# Altium PCB BCM_ECU_revA.PcbDoc (part 1 of 2) (continued)
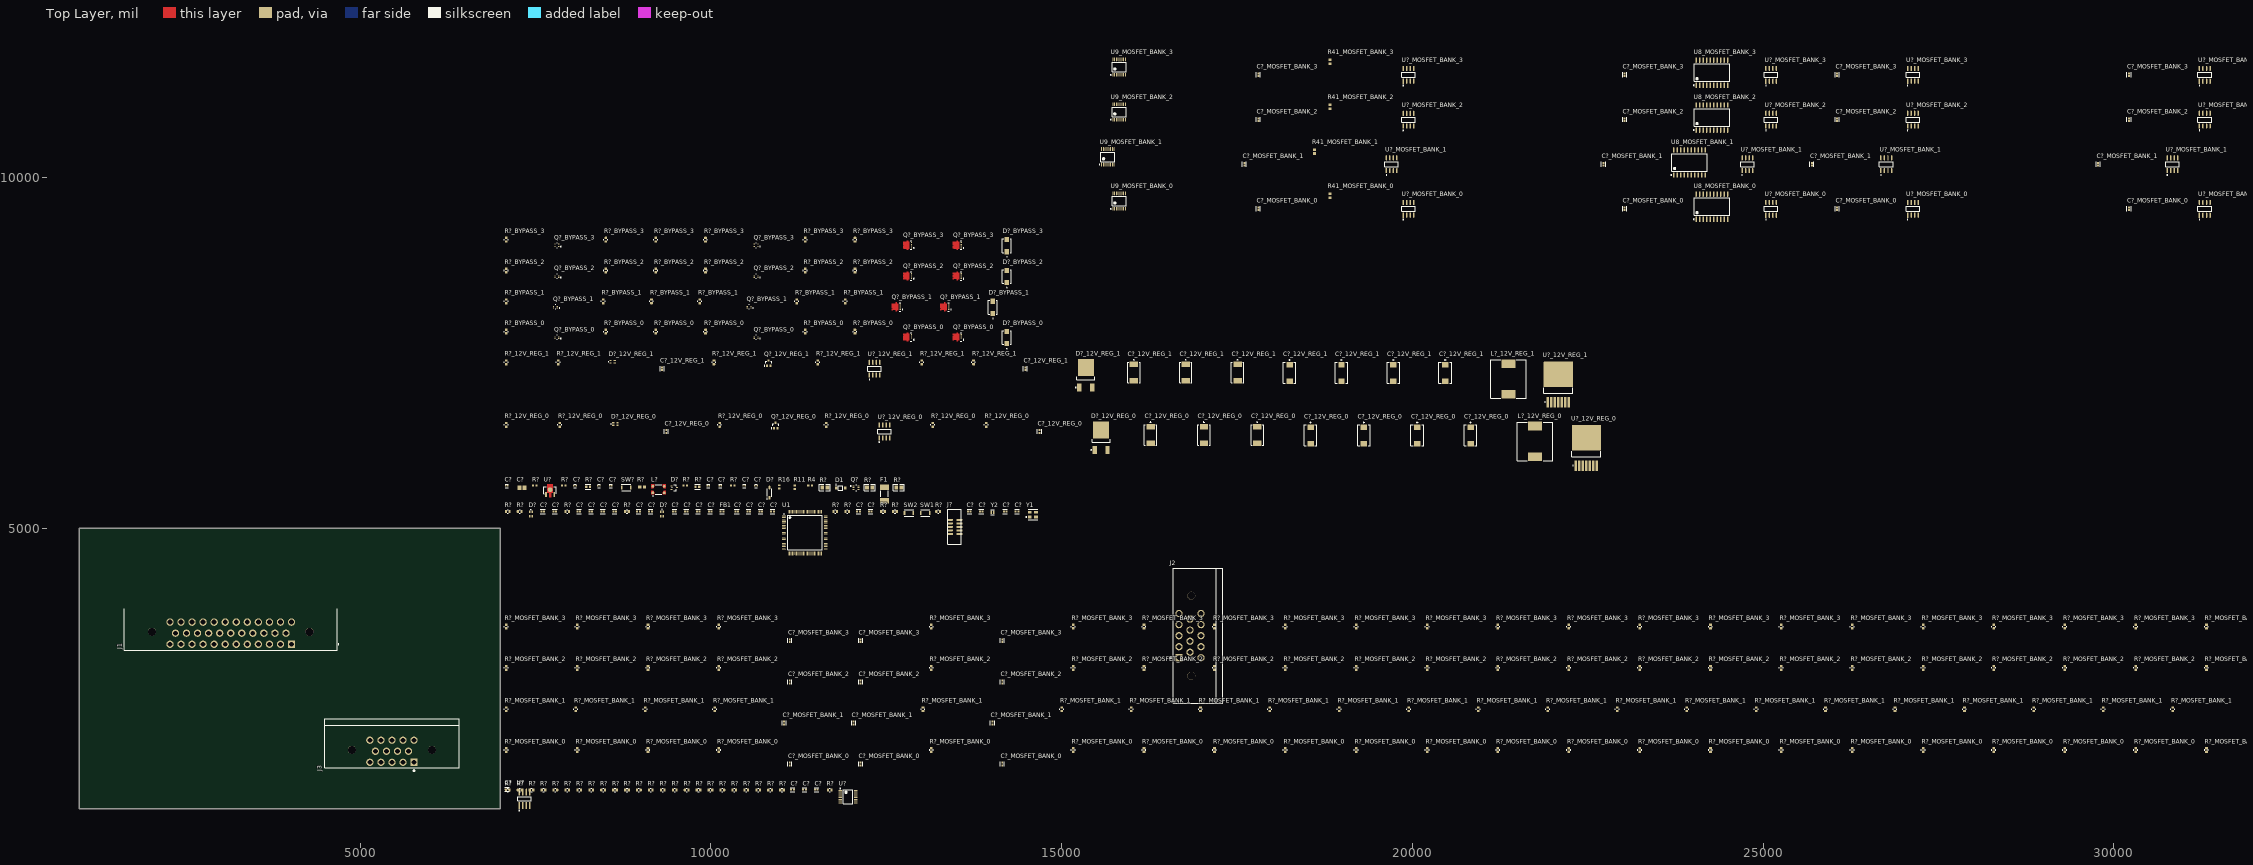
[diagram p0: Top Layer view]
## Components (designator, comment, footprint, x,y, rotation, side; value= is the part's Value field where it differs from the comment) (continued)
R?_MOSFET_BANK_0 "100k" R0603B 23240,1840 r90 top (schematic designator R?)
R?_MOSFET_BANK_0 "1k" R0603B 26270,1840 r90 top (schematic designator R?)
R?_MOSFET_BANK_0 "56" R0603B 16175,1840 r90 top (schematic designator R?)
R?_MOSFET_BANK_0 "1k" R0603B 17180,1840 r90 top (schematic designator R?)
R?_MOSFET_BANK_0 "100k" R0603B 20210,1840 r90 top (schematic designator R?)
R?_MOSFET_BANK_0 "1k" R0603B 15165,1840 r90 top (schematic designator R?)
R?_MOSFET_BANK_0 "1k" R0603B 31320,1840 r90 top (schematic designator R?)
R?_MOSFET_BANK_0 "1k" R0603B 19200,1840 r90 top (schematic designator R?)
R?_MOSFET_BANK_0 "1k" R0603B 24250,1840 r90 top (schematic designator R?)
R?_MOSFET_BANK_0 "100k" R0603B 21220,1840 r90 top (schematic designator R?)
R?_MOSFET_BANK_0 "1k" R0603B 22230,1840 r90 top (schematic designator R?)
R?_MOSFET_BANK_0 "1k" R0603B 8095,1840 r90 top (schematic designator R?)
R?_MOSFET_BANK_0 "1k" R0603B 13145,1840 r90 top (schematic designator R?)
R?_MOSFET_BANK_0 "1k" R0603B 30310,1840 r90 top (schematic designator R?)
R?_MOSFET_BANK_0 "1k" R0603B 10115,1840 r90 top (schematic designator R?)
R?_MOSFET_BANK_0 "1k" R0603B 7085,1840 r90 top (schematic designator R?)
R?_MOSFET_BANK_0 "1k" R0603B 9105,1840 r90 top (schematic designator R?)
R?_MOSFET_BANK_0 "1k" R0603B 28290,1840 r90 top (schematic designator R?)
R?_MOSFET_BANK_0 "100k" R0603B 25260,1840 r90 top (schematic designator R?)
R?_MOSFET_BANK_0 "1k" R0603B 18190,1840 r90 top (schematic designator R?)
R?_MOSFET_BANK_0 "100k" R0603B 27280,1840 r90 top (schematic designator R?)
R?_MOSFET_BANK_0 "1k" R0603B 29300,1840 r90 top (schematic designator R?)
R?_MOSFET_BANK_1 "1k" R0603B 10055,2420 r90 top (schematic designator R?)
R?_MOSFET_BANK_1 "1k" R0603B 17970,2420 r90 top (schematic designator R?)
R?_MOSFET_BANK_1 "1k" R0603B 8075,2420 r90 top (schematic designator R?)
R?_MOSFET_BANK_1 "1k" R0603B 15005,2420 r90 top (schematic designator R?)
R?_MOSFET_BANK_1 "1k" R0603B 18960,2420 r90 top (schematic designator R?)
R?_MOSFET_BANK_1 "1k" R0603B 25890,2420 r90 top (schematic designator R?)
R?_MOSFET_BANK_1 "1k" R0603B 23910,2420 r90 top (schematic designator R?)
R?_MOSFET_BANK_1 "1k" R0603B 7085,2420 r90 top (schematic designator R?)
R?_MOSFET_BANK_1 "100k" R0603B 22920,2420 r90 top (schematic designator R?)
R?_MOSFET_BANK_1 "1k" R0603B 30840,2420 r90 top (schematic designator R?)
R?_MOSFET_BANK_1 "1k" R0603B 13025,2420 r90 top (schematic designator R?)
R?_MOSFET_BANK_1 "100k" R0603B 19950,2420 r90 top (schematic designator R?)
R?_MOSFET_BANK_1 "100k" R0603B 20940,2420 r90 top (schematic designator R?)
R?_MOSFET_BANK_1 "1k" R0603B 27870,2420 r90 top (schematic designator R?)
R?_MOSFET_BANK_1 "56" R0603B 15995,2420 r90 top (schematic designator R?)
R?_MOSFET_BANK_1 "1k" R0603B 21930,2420 r90 top (schematic designator R?)
R?_MOSFET_BANK_1 "1k" R0603B 28860,2420 r90 top (schematic designator R?)
R?_MOSFET_BANK_1 "100k" R0603B 24900,2420 r90 top (schematic designator R?)
R?_MOSFET_BANK_1 "1k" R0603B 29850,2420 r90 top (schematic designator R?)
R?_MOSFET_BANK_1 "1k" R0603B 16980,2420 r90 top (schematic designator R?)
R?_MOSFET_BANK_1 "1k" R0603B 9065,2420 r90 top (schematic designator R?)
R?_MOSFET_BANK_1 "100k" R0603B 26880,2420 r90 top (schematic designator R?)
R?_MOSFET_BANK_2 "1k" R0603B 17180,3010 r90 top (schematic designator R?)
R?_MOSFET_BANK_2 "1k" R0603B 30310,3010 r90 top (schematic designator R?)
R?_MOSFET_BANK_2 "1k" R0603B 10115,3010 r90 top (schematic designator R?)
R?_MOSFET_BANK_2 "1k" R0603B 22230,3010 r90 top (schematic designator R?)
R?_MOSFET_BANK_2 "1k" R0603B 15165,3010 r90 top (schematic designator R?)
R?_MOSFET_BANK_2 "1k" R0603B 18190,3010 r90 top (schematic designator R?)
R?_MOSFET_BANK_2 "1k" R0603B 7085,3010 r90 top (schematic designator R?)
R?_MOSFET_BANK_2 "1k" R0603B 8095,3010 r90 top (schematic designator R?)
R?_MOSFET_BANK_2 "100k" R0603B 20210,3010 r90 top (schematic designator R?)
R?_MOSFET_BANK_2 "100k" R0603B 27280,3010 r90 top (schematic designator R?)
R?_MOSFET_BANK_2 "1k" R0603B 13145,3010 r90 top (schematic designator R?)
R?_MOSFET_BANK_2 "1k" R0603B 26270,3010 r90 top (schematic designator R?)
R?_MOSFET_BANK_2 "100k" R0603B 23240,3010 r90 top (schematic designator R?)
R?_MOSFET_BANK_2 "1k" R0603B 19200,3010 r90 top (schematic designator R?)
R?_MOSFET_BANK_2 "100k" R0603B 25260,3010 r90 top (schematic designator R?)
R?_MOSFET_BANK_2 "56" R0603B 16175,3010 r90 top (schematic designator R?)
R?_MOSFET_BANK_2 "1k" R0603B 29300,3010 r90 top (schematic designator R?)
R?_MOSFET_BANK_2 "1k" R0603B 31320,3010 r90 top (schematic designator R?)
R?_MOSFET_BANK_2 "1k" R0603B 24250,3010 r90 top (schematic designator R?)
R?_MOSFET_BANK_2 "1k" R0603B 9105,3010 r90 top (schematic designator R?)
R?_MOSFET_BANK_2 "100k" R0603B 21220,3010 r90 top (schematic designator R?)
R?_MOSFET_BANK_2 "1k" R0603B 28290,3010 r90 top (schematic designator R?)
R?_MOSFET_BANK_3 "1k" R0603B 29300,3600 r90 top (schematic designator R?)
R?_MOSFET_BANK_3 "1k" R0603B 30310,3600 r90 top (schematic designator R?)
R?_MOSFET_BANK_3 "1k" R0603B 15165,3600 r90 top (schematic designator R?)
R?_MOSFET_BANK_3 "1k" R0603B 31320,3600 r90 top (schematic designator R?)
R?_MOSFET_BANK_3 "1k" R0603B 18190,3600 r90 top (schematic designator R?)
R?_MOSFET_BANK_3 "1k" R0603B 8095,3600 r90 top (schematic designator R?)
R?_MOSFET_BANK_3 "1k" R0603B 22230,3600 r90 top (schematic designator R?)
R?_MOSFET_BANK_3 "1k" R0603B 17180,3600 r90 top (schematic designator R?)
R?_MOSFET_BANK_3 "1k" R0603B 7085,3600 r90 top (schematic designator R?)
R?_MOSFET_BANK_3 "1k" R0603B 10115,3600 r90 top (schematic designator R?)
R?_MOSFET_BANK_3 "1k" R0603B 19200,3600 r90 top (schematic designator R?)
R?_MOSFET_BANK_3 "1k" R0603B 26270,3600 r90 top (schematic designator R?)
R?_MOSFET_BANK_3 "1k" R0603B 13145,3600 r90 top (schematic designator R?)
R?_MOSFET_BANK_3 "56" R0603B 16175,3600 r90 top (schematic designator R?)
R?_MOSFET_BANK_3 "1k" R0603B 28290,3600 r90 top (schematic designator R?)
R?_MOSFET_BANK_3 "100k" R0603B 25260,3600 r90 top (schematic designator R?)
R?_MOSFET_BANK_3 "1k" R0603B 9105,3600 r90 top (schematic designator R?)
R?_MOSFET_BANK_3 "100k" R0603B 27280,3600 r90 top (schematic designator R?)
R?_MOSFET_BANK_3 "100k" R0603B 23240,3600 r90 top (schematic designator R?)
R?_MOSFET_BANK_3 "100k" R0603B 21220,3600 r90 top (schematic designator R?)
R?_MOSFET_BANK_3 "100k" R0603B 20210,3600 r90 top (schematic designator R?)
R?_MOSFET_BANK_3 "1k" R0603B 24250,3600 r90 top (schematic designator R?)
SW1 "KXT331LHS" FP-KXT331LHS-MFG 13055,5220 r0 top
SW2 "KXT331LHS" FP-KXT331LHS-MFG 12825,5220 r0 top
SW? "KXT331LHS" FP-KXT331LHS-MFG 8795,5580 r0 top
U1 "STM32H730VBT6" FP-LQFP100-1L-IPC_C 11340,4940 r0 top
U8_MOSFET_BANK_0 "ITS716G" INF-PG-DSO-20-32_L 24270,9585 r90 top (schematic designator U8)
U8_MOSFET_BANK_1 "ITS716G" INF-PG-DSO-20-32_L 23950,10215 r90 top (schematic designator U8)
U8_MOSFET_BANK_2 "ITS716G" INF-PG-DSO-20-32_L 24270,10855 r90 top (schematic designator U8)
U8_MOSFET_BANK_3 "ITS716G" INF-PG-DSO-20-32_L 24270,11495 r90 top (schematic designator U8)
U9_MOSFET_BANK_0 "ADC088S022CIMT/NOPB" MTC16_L 15820,9665 r90 top (schematic designator U9)
U9_MOSFET_BANK_1 "ADC088S022CIMT/NOPB" MTC16_L 15660,10295 r90 top (schematic designator U9)
U9_MOSFET_BANK_2 "ADC088S022CIMT/NOPB" MTC16_L 15820,10935 r90 top (schematic designator U9)
U9_MOSFET_BANK_3 "ADC088S022CIMT/NOPB" MTC16_L 15820,11575 r90 top (schematic designator U9)
U? "ACS711KLCTR-25AB-T" FP-LC-8-IPC_A 7345,1145 r90 top
U? "AP7381-50Y-13" FP-SOT89-MFG 7710,5545 r0 top
U? "ADC088S022CIMT/NOPB" MTC16_L 11955,1175 r0 top
U?_12V_REG_0 "ACS711KLCTR-12AB-T" FP-LC-8-IPC_C 12475,6380 r90 top (schematic designator U?)
U?_12V_REG_0 "LM2677S-12/NOPB" KTW0007B_M 22480,6145 r90 top (schematic designator U?)
U?_12V_REG_1 "LM2677S-12/NOPB" KTW0007B_M 22080,7050 r90 top (schematic designator U?)
U?_12V_REG_1 "ACS711KLCTR-12AB-T" FP-LC-8-IPC_C 12335,7275 r90 top (schematic designator U?)
U?_MOSFET_BANK_0 "ACS711KLCTR-12AB-T" FP-LC-8-IPC_C 31295,9555 r90 top (schematic designator U?)
U?_MOSFET_BANK_0 "ACS711KLCTR-12AB-T" FP-LC-8-IPC_C 27135,9555 r90 top (schematic designator U?)
U?_MOSFET_BANK_0 "ACS711KLCTR-12AB-T" FP-LC-8-IPC_C 25115,9555 r90 top (schematic designator U?)
U?_MOSFET_BANK_0 "ACS711KLCTR-12AB-T" FP-LC-8-IPC_C 19945,9555 r90 top (schematic designator U?)
U?_MOSFET_BANK_1 "ACS711KLCTR-12AB-T" FP-LC-8-IPC_C 26755,10190 r90 top (schematic designator U?)
U?_MOSFET_BANK_1 "ACS711KLCTR-12AB-T" FP-LC-8-IPC_C 19705,10190 r90 top (schematic designator U?)
U?_MOSFET_BANK_1 "ACS711KLCTR-12AB-T" FP-LC-8-IPC_C 24775,10190 r90 top (schematic designator U?)
U?_MOSFET_BANK_1 "ACS711KLCTR-12AB-T" FP-LC-8-IPC_C 30835,10190 r90 top (schematic designator U?)
U?_MOSFET_BANK_2 "ACS711KLCTR-12AB-T" FP-LC-8-IPC_C 27135,10825 r90 top (schematic designator U?)
U?_MOSFET_BANK_2 "ACS711KLCTR-12AB-T" FP-LC-8-IPC_C 25115,10825 r90 top (schematic designator U?)
U?_MOSFET_BANK_2 "ACS711KLCTR-12AB-T" FP-LC-8-IPC_C 19945,10825 r90 top (schematic designator U?)
U?_MOSFET_BANK_2 "ACS711KLCTR-12AB-T" FP-LC-8-IPC_C 31295,10825 r90 top (schematic designator U?)
U?_MOSFET_BANK_3 "ACS711KLCTR-12AB-T" FP-LC-8-IPC_C 27135,11465 r90 top (schematic designator U?)
U?_MOSFET_BANK_3 "ACS711KLCTR-12AB-T" FP-LC-8-IPC_C 19945,11465 r90 top (schematic designator U?)
U?_MOSFET_BANK_3 "ACS711KLCTR-12AB-T" FP-LC-8-IPC_C 25115,11465 r90 top (schematic designator U?)
U?_MOSFET_BANK_3 "ACS711KLCTR-12AB-T" FP-LC-8-IPC_C 31295,11465 r90 top (schematic designator U?)
Y1 "ABM8-48.000MHZ-B2-T" FP-ABM8-MFG 14590,5195 r0 top
Y2 "ECS-.327-12.5-1210-TR" FP-ECX-1210-MFG 14015,5230 r0 top

## Footprints (in the part's own frame and the unit in brackets; to place one, negate y for a bottom-side part, rotate by r counter-clockwise, add the part's x,y. Pads: shape width x height; smd on the part's side, far side on the other; paste and mask are expansions set on the pad)
1-776267-2-Footprint-1 [mm]
  rect 2.625x2.625 hole 1.75: 1(-8,4.5)
  round 2.625 hole 1.75: 2(-4,4.5) 3(0,4.5) 4(4,4.5) 5(8,4.5) 6(-6,0.5) 7(-2,0.5) 8(2,0.5) 9(6,0.5) 10(-8,-3.5) 11(-4,-3.5) 12(0,-3.5) 13(4,-3.5) 14(8,-3.5)
  round 2.85 hole 2.85 unplated: ""(-14.5,0) ""(14.5,0)
  silkscreen extent -24.4,-11.3 24.4,7.75, body extent -24.4,-31.3 24.4,6.5, height 28.12
3220-10-0300-00-Footprint-1 [mm]
  rrect50% 2.2x0.65 smd: 1(-1.73,2.54) 2(1.73,2.54) 3(-1.73,1.27) 4(1.73,1.27) 5(-1.73,0) 6(1.73,0) 7(-1.73,-1.27) 8(1.73,-1.27) 9(-1.73,-2.54) 10(1.73,-2.54)
  silkscreen extent -2.5,-6.35 2.5,6.35, body extent -2.74,-6.39 2.76,6.31, height 5.22
C0402B [mil]
  rect 28.16x26.48 smd paste+0 mask+0: 1(-18.84,0) 2(18.84,0)
  silkscreen extent -33,-29 33,29, body extent -41,-21 41,21, height 10
CAPC2013X145X50ML20T25 [mm] "Chip Capacitor, 2-Leads, Body 2.00x1.25mm, IPC Low Density"
  rect 1.5x1.55 smd: 1(-0.9,0) 2(0.9,0)
  body extent -1.1,-0.72 1.1,0.72, height 1.45
DIOD-SOT323-3_V [mm] "SOT323, 3-Leads, Body 2.2x1.35mm, Pitch 0.65mm"
  rect 0.9x0.7 smd: 1(-0.95,0.65) 2(-0.95,-0.65) 3(0.95,0)
  silkscreen extent -1.07,-1.1 0.67,1.67, body extent -1.1,-1.1 1.1,1.1, height 1.07
FP-0402-L_1_0_0_05-W_0_5-IPC_A [mil]
  rect 28.16x26.48 smd paste+0 mask+0: 1(-18.84,0) 2(18.84,0)
  silkscreen extent -33,-29 33,29, body extent -41,-21 41,21, height 10
FP-0679L-MFG [mm]
  rect 1.96x3.15 smd paste+0 mask+0: 1(-2.455,0) 2(2.455,0)
  silkscreen extent -1.1,-1.4 1.1,1.4, body extent -3.53,-1.68 3.53,1.68, height 0.25
FP-776163-1-MFG [mm]
  rect 2.65x2.65 hole 1.75 paste-2539.97 mask+0: 1(-22,16.95)
  round 2.65 hole 1.75 paste-2539.97 mask+0: 2(-18,16.95) 3(-14,16.95) 4(-10,16.95) 5(-6,16.95) 6(-2,16.95) 7(2,16.95) 8(6,16.95) 9(10,16.95) 10(14,16.95) 11(18,16.95) 12(22,16.95) 13(-20,12.95) 14(-16,12.95) 15(-12,12.95) 16(-8,12.95) 17(-4,12.95) 18(0,12.95) 19(4,12.95) 20(8,12.95) 21(12,12.95) 22(16,12.95) 23(20,12.95) 24(-22,8.95) 25(-18,8.95) 26(-14,8.95) 27(-10,8.95) 28(-6,8.95) 29(-2,8.95) 30(2,8.95) 31(6,8.95) 32(10,8.95) 33(14,8.95) 34(18,8.95) 35(22,8.95)
  round 2.85 hole 2.85 unplated paste-2539.97 mask+0: ""(-28.5,12.45) ""(28.5,12.45)
  silkscreen extent -39.18,4.1 38.55,19.15, body extent -38.65,-19.25 38.65,19.25, height 0.25
FP-ABM8-MFG [mm]
  rect 1.3x1.05 smd paste+0 mask+0: 1(-1.15,-0.875) 2(1.15,-0.875) 3(1.15,0.875) 4(-1.15,0.875)
  silkscreen extent -2.5,-1.88 1.7,1.88, body extent -1.9,-1.5 1.9,1.5, height 0.25
FP-BLM15-0_05-IPC_A [mil]
  rect 28.16x26.48 smd paste+0 mask+0: 1(-18.84,0) 2(18.84,0)
  silkscreen extent -33,-29 33,29, body extent -41,-21 41,21, height 10
FP-C0402-BB-MFG [mm]
  rect 0.52x0.52 smd paste+0 mask+0: 1(-0.4,0) 2(0.4,0)
  silkscreen extent -0.5,-0.64 0.5,0.64, body extent -0.8,-0.4 0.8,0.4, height 0.25
FP-ECX-1210-MFG [mm]
  rect 0.575x1.14 smd paste+0 mask+0: 1(-0.413,0) 2(0.413,0)
  silkscreen extent -0.65,-0.95 0.65,0.95, body extent -0.8,-0.67 0.8,0.67, height 0.25
FP-ERJ3EK-IPC_C [mil]
  rect 29.78x33.94 smd paste+0 mask+0: 1(-25.62,0) 2(25.62,0)
  silkscreen extent -41,-34 41,34, body extent -44,-23 44,23, height 10
FP-KXT331LHS-MFG [mm]
  rect 0.55x1.5 smd paste+0 mask+0: 1(-1.625,0) 2(1.625,0)
  silkscreen extent -1.65,-1.15 1.65,1.15, body extent -2,-1.25 2,1.25, height 0.25
FP-LC-8-IPC_A [mil]
  rect 97.4x24.49 smd paste+0 mask+0: 1(-95.12,75)
  rrect100% 97.4x24.49 smd paste+0 mask+0: 2(-95.12,25) 3(-95.12,-25) 4(-95.12,-75) 5(95.12,-75) 6(95.12,-25) 7(95.12,25) 8(95.12,75)
  silkscreen extent -172,-96 27,96, body extent -164,-116 164,116, height 10
FP-LC-8-IPC_C [mil]
  rect 73.78x21.34 smd paste+0 mask+0: 1(-91.18,75)
  rrect100% 73.78x21.34 smd paste+0 mask+0: 2(-91.18,25) 3(-91.18,-25) 4(-91.18,-75) 5(91.18,-75) 6(91.18,-25) 7(91.18,25) 8(91.18,75)
  silkscreen extent -156,-96 35,96, body extent -132,-100 132,100, height 10
FP-LQFP100-1L-IPC_C [mm]
  rect 1.355x0.212 smd paste+0 mask+0: 1(-7.575,6)
  rrect100% 1.355x0.212 smd paste+0 mask+0: 2(-7.575,5.5) 3(-7.575,5) 4(-7.575,4.5) 5(-7.575,4) 6(-7.575,3.5) 7(-7.575,3) 8(-7.575,2.5) 9(-7.575,2) 10(-7.575,1.5) 11(-7.575,1) 12(-7.575,0.5) 13(-7.575,0) 14(-7.575,-0.5) 15(-7.575,-1) 16(-7.575,-1.5) 17(-7.575,-2) 18(-7.575,-2.5) 19(-7.575,-3) 20(-7.575,-3.5) 21(-7.575,-4) 22(-7.575,-4.5) 23(-7.575,-5) 24(-7.575,-5.5) 25(-7.575,-6) 51(7.575,-6) 52(7.575,-5.5) 53(7.575,-5) 54(7.575,-4.5) 55(7.575,-4) 56(7.575,-3.5) 57(7.575,-3) 58(7.575,-2.5) 59(7.575,-2) 60(7.575,-1.5) 61(7.575,-1) 62(7.575,-0.5) 63(7.575,0) 64(7.575,0.5) 65(7.575,1) 66(7.575,1.5) 67(7.575,2) 68(7.575,2.5) 69(7.575,3) 70(7.575,3.5) 71(7.575,4) 72(7.575,4.5) 73(7.575,5) 74(7.575,5.5) 75(7.575,6)
  rrect100% 0.212x1.355 smd paste+0 mask+0: 26(-6,-7.575) 27(-5.5,-7.575) 28(-5,-7.575) 29(-4.5,-7.575) 30(-4,-7.575) 31(-3.5,-7.575) 32(-3,-7.575) 33(-2.5,-7.575) 34(-2,-7.575) 35(-1.5,-7.575) 36(-1,-7.575) 37(-0.5,-7.575) 38(0,-7.575) 39(0.5,-7.575) 40(1,-7.575) 41(1.5,-7.575) 42(2,-7.575) 43(2.5,-7.575) 44(3,-7.575) 45(3.5,-7.575) 46(4,-7.575) 47(4.5,-7.575) 48(5,-7.575) 49(5.5,-7.575) 50(6,-7.575) 76(6,7.575) 77(5.5,7.575) 78(5,7.575) 79(4.5,7.575) 80(4,7.575) 81(3.5,7.575) 82(3,7.575) 83(2.5,7.575) 84(2,7.575) 85(1.5,7.575) 86(1,7.575) 87(0.5,7.575) 88(0,7.575) 89(-0.5,7.575) 90(-1,7.575) 91(-1.5,7.575) 92(-2,7.575) 93(-2.5,7.575) 94(-3,7.575) 95(-3.5,7.575) 96(-4,7.575) 97(-4.5,7.575) 98(-5,7.575) 99(-5.5,7.575) 100(-6,7.575)
  silkscreen extent -7.7,-6.25 6.25,6.83, body extent -8.35,-8.35 8.35,8.35, height 0.25
FP-SOD-123-IPC_A [mm]
  rect 1.308x0.762 smd paste+0 mask+0: 1(-1.825,0)
  rrect100% 1.308x0.762 smd paste+0 mask+0: 2(1.825,0)
  silkscreen extent -2.39,-0.8 1.35,1.01, body extent -2.98,-1.3 2.98,1.3, height 0.25
FP-SON6-P-0_50-MFG [mm]
  rect 0.3x0.45 smd paste+0 mask+0: 1(-0.5,-0.675) 2(0,-0.675) 3(0.5,-0.675) 4(0.5,0.675) 5(0,0.675) 6(-0.5,0.675)
  silkscreen extent -0.82,-1.58 0.82,0.08, body extent -0.92,-1 0.92,1, height 0.25
FP-SOT89-MFG [mm]
  rect 0.58x1.73 smd paste+0 mask+0: 1(-1.5,-1.635) 3(1.5,-1.635)
  round 1.74 smd paste+0 mask+0: 2(0,0.146)
  Top Layer region: -0.38,-2.5 0.38,-2.5 0.38,-1 0.967,-1 0.967,2.03 -0.967,2.03 -0.967,-1 -0.38,-1 -0.38,-2.5
  silkscreen extent -2.3,-1.3 2.3,1.3, body extent -2.4,-2.6 2.4,2.13, height 0.25
FP-SOT323-3L-MFG [mm]
  rect 0.7x0.42 smd paste+0 mask+0: 1(-1,0.65) 2(-1,-0.65) 3(1,0)
  silkscreen extent -0.67,-1.1 0.67,1.1, body extent -1.45,-1.2 1.45,1.2, height 0.25
FP-SRF4532-MFG [mm]
  round 0.99 smd paste+0 mask+0: 1(-2.05,-1.25) 2(2.05,-1.25)
  round 0.97 smd paste+0 mask+0: 3(2.05,1.125) 4(-2.05,1.125)
  Top Layer region: -2.6,0.45 -2.6,1.8 -1.5,1.8 -1.5,0.95 -1.9,0.45
  Top Layer region: 1.5,1.8 2.6,1.8 2.6,0.45 1.9,0.45 1.5,0.95
  Top Layer region: 1.5,-1.8 1.5,-0.95 1.9,-0.45 2.6,-0.45 2.6,-1.8
  Top Layer region: -2.6,-1.8 -2.6,-0.45 -1.9,-0.45 -1.5,-0.95 -1.5,-1.8
  silkscreen extent -2.17,-2.47 1.12,1.7, body extent -2.7,-1.9 2.7,1.9, height 0.25
FP-SRP1265A-100M-MFG [mm]
  rect 3.1x5 smd paste+0 mask+0: 1(-5.55,0) 2(5.55,0)
  silkscreen extent -7,-6.4 7,6.4, body extent -7.2,-6.5 7.2,6.5, height 0.25
FP-SSOP6-P-0_65A-MFG [mm]
  rect 0.8x0.4 smd paste+0 mask+0: 1(-0.95,0.65) 2(-0.95,0) 3(-0.95,-0.65) 4(0.95,-0.65) 5(0.95,0) 6(0.95,0.65)
  silkscreen extent -2.05,-1.1 0.18,1.1, body extent -1.45,-1.2 1.45,1.2, height 0.25
FP-T495D107K016ATE125-MFG [mm]
  rect 1.99x2.33 smd paste+0 mask+0: 1(-3.01,0) 2(3.01,0)
  silkscreen extent -3.8,-2.3 5,2.3, body extent -4.11,-2.4 4.11,2.4, height 0.25
FP-TPSE-MFG [mm]
  rect 2x3 smd paste+0 mask+0: 1(-3,0) 2(3,0)
  silkscreen extent -3.75,-2.25 4.9,2.25, body extent -4.1,-2.35 4.1,2.35, height 0.25
INF-PG-DSO-20-32_L [mm] "SOP, 20-Leads, Body 12.7x7.5mm, Pitch 1.27mm, IPC High Density"
  oval 1.95x0.6 smd: 1(-4.55,5.715) 2(-4.55,4.445) 3(-4.55,3.175) 4(-4.55,1.905) 5(-4.55,0.635) 6(-4.55,-0.635) 7(-4.55,-1.905) 8(-4.55,-3.175) 9(-4.55,-4.445) 10(-4.55,-5.715) 11(4.55,-5.715) 12(4.55,-4.445) 13(4.55,-3.175) 14(4.55,-1.905) 15(4.55,-0.635) 16(4.55,0.635) 17(4.55,1.905) 18(4.55,3.175) 19(4.55,4.445) 20(4.55,5.715)
  silkscreen extent -4.67,-6.4 3.18,6.69, body extent -3.8,-6.4 3.8,6.4, height 2.65
KTW0007B_M [mm] "DPAK, 7-Leads, Body 9.4x10.4mm, Pitch 1.27mm, IPC Low Density"
  rrect10% 3.8x1 smd: 1(-6.35,3.81) 2(-6.35,2.54) 3(-6.35,1.27) 4(-6.35,0) 5(-6.35,-1.27) 6(-6.35,-2.54) 7(-6.35,-3.81)
  rrect1% 9.1x10.55 smd: 8(3.7,0)
  silkscreen extent -6.47,-5.2 -1.25,5.2, body extent -3.2,-5.2 6.2,5.2, height 4.65
MTC16_L [mm] "TSOP, 16-Leads, Body 5x4.4mm, Pitch 0.65mm, IPC High Density"
  oval 1.4x0.35 smd: 1(-2.8,2.275) 2(-2.8,1.625) 3(-2.8,0.975) 4(-2.8,0.325) 5(-2.8,-0.325) 6(-2.8,-0.975) 7(-2.8,-1.625) 8(-2.8,-2.275) 9(2.8,-2.275) 10(2.8,-1.625) 11(2.8,-0.975) 12(2.8,-0.325) 13(2.8,0.325) 14(2.8,0.975) 15(2.8,1.625) 16(2.8,2.275)
  silkscreen extent -2.92,-2.55 1.7,3.12, body extent -2.25,-2.55 2.25,2.55, height 1.1
ONSC-DPAK-3-369C-01_V [mm] "DPAK, 3-Leads, Body 6.54x6.095mm, Pitch 2.29mm"
  rect 3x1.6 smd: 1(-4.4,2.29) 3(-4.4,-2.29)
  rect 6.2x5.8 smd: 4(2.8,0)
  silkscreen extent -4.52,-3.27 -0.45,3.76, body extent -1.6,-3.27 4.49,3.27, height 2.38
ONSC-SOD-123-2-425-04_V [mm] "SOD, 2-Leads, Body 2.69x1.6mm"
  rect 0.91x1.22 smd: 1(-1.635,0) 2(1.635,0)
  silkscreen extent -1.76,-0.8 0.78,1.28, body extent -1.35,-0.8 1.35,0.8, height 1.35
R0603B [mm] "Chip Resistor, 0603, 2-Leads, Body 1.58x0.85mm, IPC Medium Density"
  rrect25% 0.8x0.95 smd: 1(-0.65,0) 2(0.65,0)
  silkscreen extent -0.2,-0.7 0.2,0.7, body extent -0.82,-0.48 0.82,0.48, height 0.5
R0805A [mm] "0805 Chip Resistor, Body 2.00x1.25mm, IPC Low Density"
  rect 1.35x1.5 smd: 1(-0.95,0) 2(0.95,0)
  silkscreen extent -2.03,-1.14 2.03,1.14, body extent -1.07,-0.7 1.07,0.7, height 0.65
RESC1608X55X30LL15T15 [mm] "Chip Resistor, 2-Leads, Body 1.60x0.80mm, IPC High Density"
  rect 0.7x0.85 smd: 1(-0.625,0) 2(0.625,0)
  body extent -0.87,-0.48 0.87,0.48, height 0.55
RESC1608X90X30ML15T20 [mm] "Chip Resistor, 2-Leads, Body 1.60x0.80mm, IPC Low Density"
  rect 0.95x1.05 smd: 1(-0.7,0) 2(0.7,0)
  body extent -0.88,-0.48 0.87,0.48, height 0.9
RESC1609X55X30LL15T15 [mm] "Chip Resistor, 2-Leads, Body 1.75x0.95mm, IPC High Density"
  rect 0.75x0.85 smd: 1(-0.65,0) 2(0.65,0)
  body extent -0.87,-0.48 0.87,0.48, height 0.55
RESC1609X55X30ML15T15 [mm] "Chip Resistor, 2-Leads, Body 1.75x0.95mm, IPC Low Density"
  rect 1.15x1.05 smd: 1(-0.85,0) 2(0.85,0)
  body extent -0.87,-0.48 0.87,0.48, height 0.55
SISH615ADN-T1-GE3-Footprint-1 [mm]
  rect 0.35x0.5 smd paste+0 mask+0: 1(-0.937,-1.4) 2(-0.288,-1.4) 3(0.363,-1.4) 4(1.012,-1.4)
  round 0.025 smd mask+0: 5-6-7-8(0.038,0.51)
  Top Layer region: -1.187,-0.63 -1.187,-0.215 -1.568,-0.215 -1.568,0.215 -1.187,0.215 -1.187,1.35 -1.137,1.35 -1.137,1.65 -0.737,1.65 -0.737,1.35 -0.487,1.35 -0.487,1.65 -0.088,1.65 -0.088,1.35 0.163,1.35 0.163,1.65 0.563,1.65 0.563,1.35 0.813,1.35 0.813,1.65 1.212,1.65 1.212,1.35 1.262,1.35 1.262,0.215 1.643,0.215 1.643,-0.215 1.262,-0.215 1.262,-0.63
  silkscreen extent -1.51,-2.38 1.59,-1.01, body extent -1.67,-1.75 1.74,1.75, height 0.25
SK34A-LTP-Footprint-1 [mil]
  rect 74x66 smd paste+0 mask+0: 1(-87,0) 2(87,0)
  silkscreen extent -162,-63 98,63
WL-SBCD_0606 [mm] "SMT Bi-color Chip LED Diffuesed, body 1.5x1.6mm"
  rect 0.5x0.8 smd: 1(-0.45,0.8) 2(-0.45,-0.8) 3(0.45,-0.8) 4(0.45,0.8)
  silkscreen extent -0.07,1.48 0.08,1.62, body extent -0.75,-0.8 0.75,0.8, height 0.55

## Part data
C? C? C? C? C?_12V_REG_0 C?_12V_REG_1 C?_MOSFET_BANK_0 C?_MOSFET_BANK_0 C?_MOSFET_BANK_0 C?_MOSFET_BANK_0 C?_MOSFET_BANK_0 C?_MOSFET_BANK_0 C?_MOSFET_BANK_0 C?_MOSFET_BANK_1 C?_MOSFET_BANK_1 C?_MOSFET_BANK_1 C?_MOSFET_BANK_1 C?_MOSFET_BANK_1 C?_MOSFET_BANK_1 C?_MOSFET_BANK_1 C?_MOSFET_BANK_2 C?_MOSFET_BANK_2 C?_MOSFET_BANK_2 C?_MOSFET_BANK_2 C?_MOSFET_BANK_2 C?_MOSFET_BANK_2 C?_MOSFET_BANK_2 C?_MOSFET_BANK_3 C?_MOSFET_BANK_3 C?_MOSFET_BANK_3 C?_MOSFET_BANK_3 C?_MOSFET_BANK_3 C?_MOSFET_BANK_3 C?_MOSFET_BANK_3: library part CMP-001-00058-1, "LARGE PADS, 0402 CAP, CHANGE COMMENT TO MATCH REAL P/N", Capacitor Type=Ceramic, Case/Package=0402, Max Operating Temperature=85°C, Min Operating Temperature=-55°C, Mounting Technology="Surface Mount", Pins=2, RoHS Compliant=Yes
C? C? C? C? C? C? C? C? C? C? C? C? C? C? C? C? C? C? C? C? C? C? C?_12V_REG_0 C?_12V_REG_1: library part CMP-001-00000-11, "Non-polarized capacitor"
C? C? C? C? C? C? C? C?: library part CMP-2008-02046-2, "CAP CER 0.1UF 10V X5R 0402", Capacitance="0.10 μF", Manufacturer=Kemet, Package=C0402-BB, Temperature="-55°C to +125°C", Temperature Characteristic=X5R, Temperature Coefficient=15%, Temperature Range High=+125°C, Temperature Range Low=-55°C, Tolerance=0.1, Voltage Rating="10 V", Automotive=No, Category=Cap, ComponentLink2Description=Datasheet, ComponentLink2URL=https://content.kemet.com/datasheets/KEM_C1002_X7R_SMD.pdf, Device Class L1="Passive Components", Device Class L2=Capacitors, Device Class L3="Ceramic Capacitors", Digikey Description="CAP CER 0.1UF 10V X5R 0402", Height=0.55mm, Ipc Land Pattern Name=CAPC10050X50, Lead Free=Yes, Manufacturer Part Number=C0402C104K8PACTU, Material=Ceramic, Mouser Description="Capacitor 100 nF 10 VDC 0402", Octopart=https://octopart.com/c0402c104k8pactu-kemet-140039, RoHS=TRUE
C?: library part CMP-1036-04819-2, Manufacturer=Kemet, Part Number=C0805C225K9PACTU
C?_12V_REG_0 C?_12V_REG_0 C?_12V_REG_0 C?_12V_REG_0 C?_12V_REG_1 C?_12V_REG_1 C?_12V_REG_1 C?_12V_REG_1: library part CMP-2000-07207-2, "CAP TANT 100UF 10% 16V 2917", Capacitance=100uF, Case Code (Imperial)=2917, Case Code (Metric)=7343, Dielectric Material=Tantalum, ESR (Equivalent Series Resistance)=125mR, Max Operating Temperature=125°C, Min Operating Temperature=-55°C, Package Quantity=1, Tolerance=10%, Voltage=16V, Case/Package=2917, Construction=Flat, Depth=4.3mm, Dissipation Factor=8%, Failure Rate=0.001%, Features="General Purpose", Height=2.8mm, Height - Seated (Max)=0.122inch, Length=7.3mm, Life (Hours)=2000Hour, Mount="Surface Mount", Number of Pins=2, Packaging="Tape and Reel", Polarity=Polar, Radiation Hardening=No, REACH SVHC="No SVHC", RoHS Compliant=Yes, Series=T495, Termination=SMD/SMT, Voltage Rating=16V, Voltage Rating (DC)=16V, Weight=0.023634oz, Width=0.169inch
C?_12V_REG_0 C?_12V_REG_0 C?_12V_REG_0 C?_12V_REG_1 C?_12V_REG_1 C?_12V_REG_1: library part CMP-04424-000178-1, "CAP TANT 68UF 10% 25V 2917", Capacitance=68uF, Case Code (Imperial)=2917, Case Code (Metric)=7343, Dielectric Material=Tantalum, ESR (Equivalent Series Resistance)=125mR, Leakage Current=17uA, Max Operating Temperature=125°C, Min Operating Temperature=-55°C, Package Quantity=1, Ripple Current=460uA, Tolerance=10%, Voltage=25V, Case/Package=2917, Depth=4.3mm, Dissipation Factor=6%, Features="General Purpose", Height=4.1mm, Height - Seated (Max)=0.169inch, Lead Free="Lead Free", Length=7.3mm, Mount="Surface Mount", Number of Pins=2, Packaging="Tape and Reel", Polarity=Polar, Radiation Hardening=No, REACH SVHC="No SVHC", RoHS Compliant=Yes, Series=TPS, Termination=SMD/SMT, Voltage Rating=25V, Voltage Rating (DC)=25V, Width=4.3mm
D1: library part CMP-1060-00565-1, "Zener Voltage Regulator, 500 mW, 2-Pin SOD-123, Pb-Free, Tape and Reel", Manufacturer="On Semiconductor", ComponentLink1Description="Manufacturer URL", ComponentLink1URL=http://www.onsemi.com/, ComponentLink2Description=Datasheet, ComponentLink2URL=http://www.onsemi.com/pub_link/Collateral/MMSZ5221BT1-D.PDF, ComponentLink3Description="Package Specification", ComponentLink3URL=http://www.onsemi.com/pub_link/Collateral/425-04.PDF, DatasheetVersion="Rev. 12", Mounting Technology="Surface Mount", P Max (W)=0.5, PackageDescription="2-Pin SOD, Body 1.6 x 2.69 mm", PackageReference=SOD-123-2-425-04, PackageVersion="Rev. G, 10/2009", Packing="Tape and Reel", PartNumber=MMSZ5242BT1G, RoHS=Pb-Free, VZ Typ (V)=12
D? D? D?_12V_REG_0 D?_12V_REG_1: library part CMP-004-00040-2, "Led, Red/Grn, 180Mcd/230Mcd, 624Nm/525Nm Rohs Compliant: Yes", Component Type=Standard, Design Item ID=CMP-004-00034-2, Pins=4, Source=rgled.SchLib
D?: library part CMP-2000-04993-2, "DIODE GEN PURP 100V 150MA SOD123", Average Rectified Current=150mA, Capacitance=4pF, Forward Voltage=1V, Max Forward Surge Current (Ifsm)=1A, Max Operating Temperature=150°C, Max Repetitive Reverse Voltage (Vrrm)=100V, Max Reverse Leakage Current=5uA, Max Surge Current=2A, Min Operating Temperature=-65°C, Package Quantity=3000, Power Dissipation=400mW, Current Rating=150mA, Element Configuration=Single, Forward Current=150mA, Height=1.2mm, Lead Free="Lead Free", Length=2.85mm, Max Reverse Voltage (DC)=100V, Mount="Surface Mount", Number of Pins=2, Output Current=150mA, Packaging="Tape and Reel", Peak Non-Repetitive Surge Current=2A, Polarity=Standard, Radiation Hardening=No, Recovery Time=4ns, Reverse Recovery Time=4ns, Voltage Rating (DC)=100V, Width=1.8mm
D?: library part CMP-12225-000055-1, "TVS DIODE 26.5V 44V SOT323-3", Breakdown Voltage=28.5V, Capacitance=3pF, Clamping Voltage=44V, Manufacturer=STMicroelectronics, Max Junction Temp=+175°C, Package=SOT323-3L, Peak Pulse Current=3A, Peak Pulse Power=170W, Reverse Standoff Voltage=26.5V, Temperature="-55°C to +175°C", Temperature Range Low=-55°C, Automotive=Yes, Automotive Grade="Grade 0", Category=Diode, ComponentLink2Description=Datasheet, ComponentLink2URL=https://www.st.com/resource/en/datasheet/esdcan02-2bwy.pdf, Device Class L1="Circuit Protection", Device Class L2="TVS Diodes", Device Class L3=unset, Digikey Description="TVS DIODE 26.5V 44V SOT323-3", Direction=Bidirectional, Height=1.1mm, Ipc Land Pattern Name=SOT65P210X95-3, Lead Free=Yes, Manufacturer Part Number=ESDCAN02-2BWY, Mouser Description="TVS Diodes / ESD Suppressors Automotive dual-line Transil, Transient voltage suppressor (TVS) for CAN bus", Number Of Channels=2, Octopart=https://octopart.com/esdcan02-2bwy-stmicroelectronics-58631133, RoHS=TRUE, Standoff Height=0mm, Temperature Range High=+175°C
D?_12V_REG_0 D?_12V_REG_1: library part CMP-1055-00170-1, "SWITCHMODE(TM) Power Rectifier, 3-Pin DPAK, Pb-Free, Tape and Reel", Manufacturer="On Semiconductor", ComponentLink1Description="Manufacturer URL", ComponentLink1URL=http://www.onsemi.com/, ComponentLink2Description=Datasheet, ComponentLink2URL=http://www.onsemi.cn/pub_link/Collateral/MBRD835L-D.PDF, ComponentLink3Description="Package Specification", ComponentLink3URL=http://www.onsemi.cn/pub_link/Collateral/369C.PDF, Configuration=Single, DatasheetVersion="Rev. 11", IFSM Max (A)=75, Mounting Technology="Surface Mount", PackageDescription="3-Pin Flange Mount, Body 6.54 x 6.095 mm, Pitch 2.29 mm", PackageReference=DPAK-3-369C-01, PackageVersion="Rev. E, 02/2014", Packing="Tape and Reel", PartNumber=SBRD8835LT4G, RoHS=TRUE
D?_BYPASS_0 D?_BYPASS_1 D?_BYPASS_2 D?_BYPASS_3: library part CMP-004-00058-2, "Rectifier Diode, Schottky, 1 Phase, 1 Element, 3A, 40V V(RRM), Silicon, DO-214AC", Forward Voltage=500mV, Max Operating Temperature=125°C, Pins=2, RoHS Compliant=Yes
F1: library part CMP-16042-000002-1, "DIFF P#!!! /  / FUSE BRD MNT 10A 125VAC/VDC", Fuse Current=15A, Fuse Interrupt Ac Current=50A, Fuse Interrupt Dc Current=300A, Fuse Voltage Drop=0.13V, Manufacturer="Bel Fuse", Manufacturer Part Number=0679L9150-01, Max Fuse Ac Voltage=125V, Package=0679L, Resistance=0.0038Ω, Temperature="-55°C to +125°C", Temperature Range High=+125°C, Temperature Range Low=-55°C, Automotive=Yes, Automotive Grade="Grade 1", Category=Fuse, ComponentLink2Description=Datasheet, ComponentLink2URL=https://www.belfuse.com/resources/CircuitProtection/datasheets/0679L%20Sep2016.pdf, Device Class L1="Circuit Protection", Device Class L2=Fuses, Device Class L3=unset, Digikey Description="FUSE BRD MNT 15A 125VAC/VDC", Fuse Blow Speed=Fast, Fuse I2T=103.5A2Sec, Height=2.79mm, Ipc Land Pattern Name=CAPC610254X254, Lead Free=Yes, Max Fuse Dc Voltage=125V, Octopart=https://octopart.com/0679l9150-01-bel+fuse-70850665, RoHS=TRUE, Voltage Rating=125V
FB1: library part CMP-0686-00252-4, "Chip Ferrite Bead, 0402, 600Ω @ 100MHz, 0.23Ω, 25%, 900mA", Case Code (Imperial)=0402, Case Code (Metric)=1005, Current Rating=900mA, DC Resistance (DCR)=230mR, Max Operating Temperature=125°C, Min Operating Temperature=-55°C, Package Quantity=10000, Test Frequency=100MHz, Tolerance=25%, Case/Package=0402, Height=0.5mm, Impedance=600R, Lead Free="Lead Free", Length=1mm, Material=Steel, Max Current Rating=900mA, Max DC Current=900mA, Number of Circuits=1, Number of Lines=1, Number of Pins=2, Packaging="Tape and Reel", Termination=SMD/SMT, Width=0.5mm